# Altium PCB pcb-acopians-powerspy-monitoring-hw.PcbDoc (part 1 of 3) (continued)
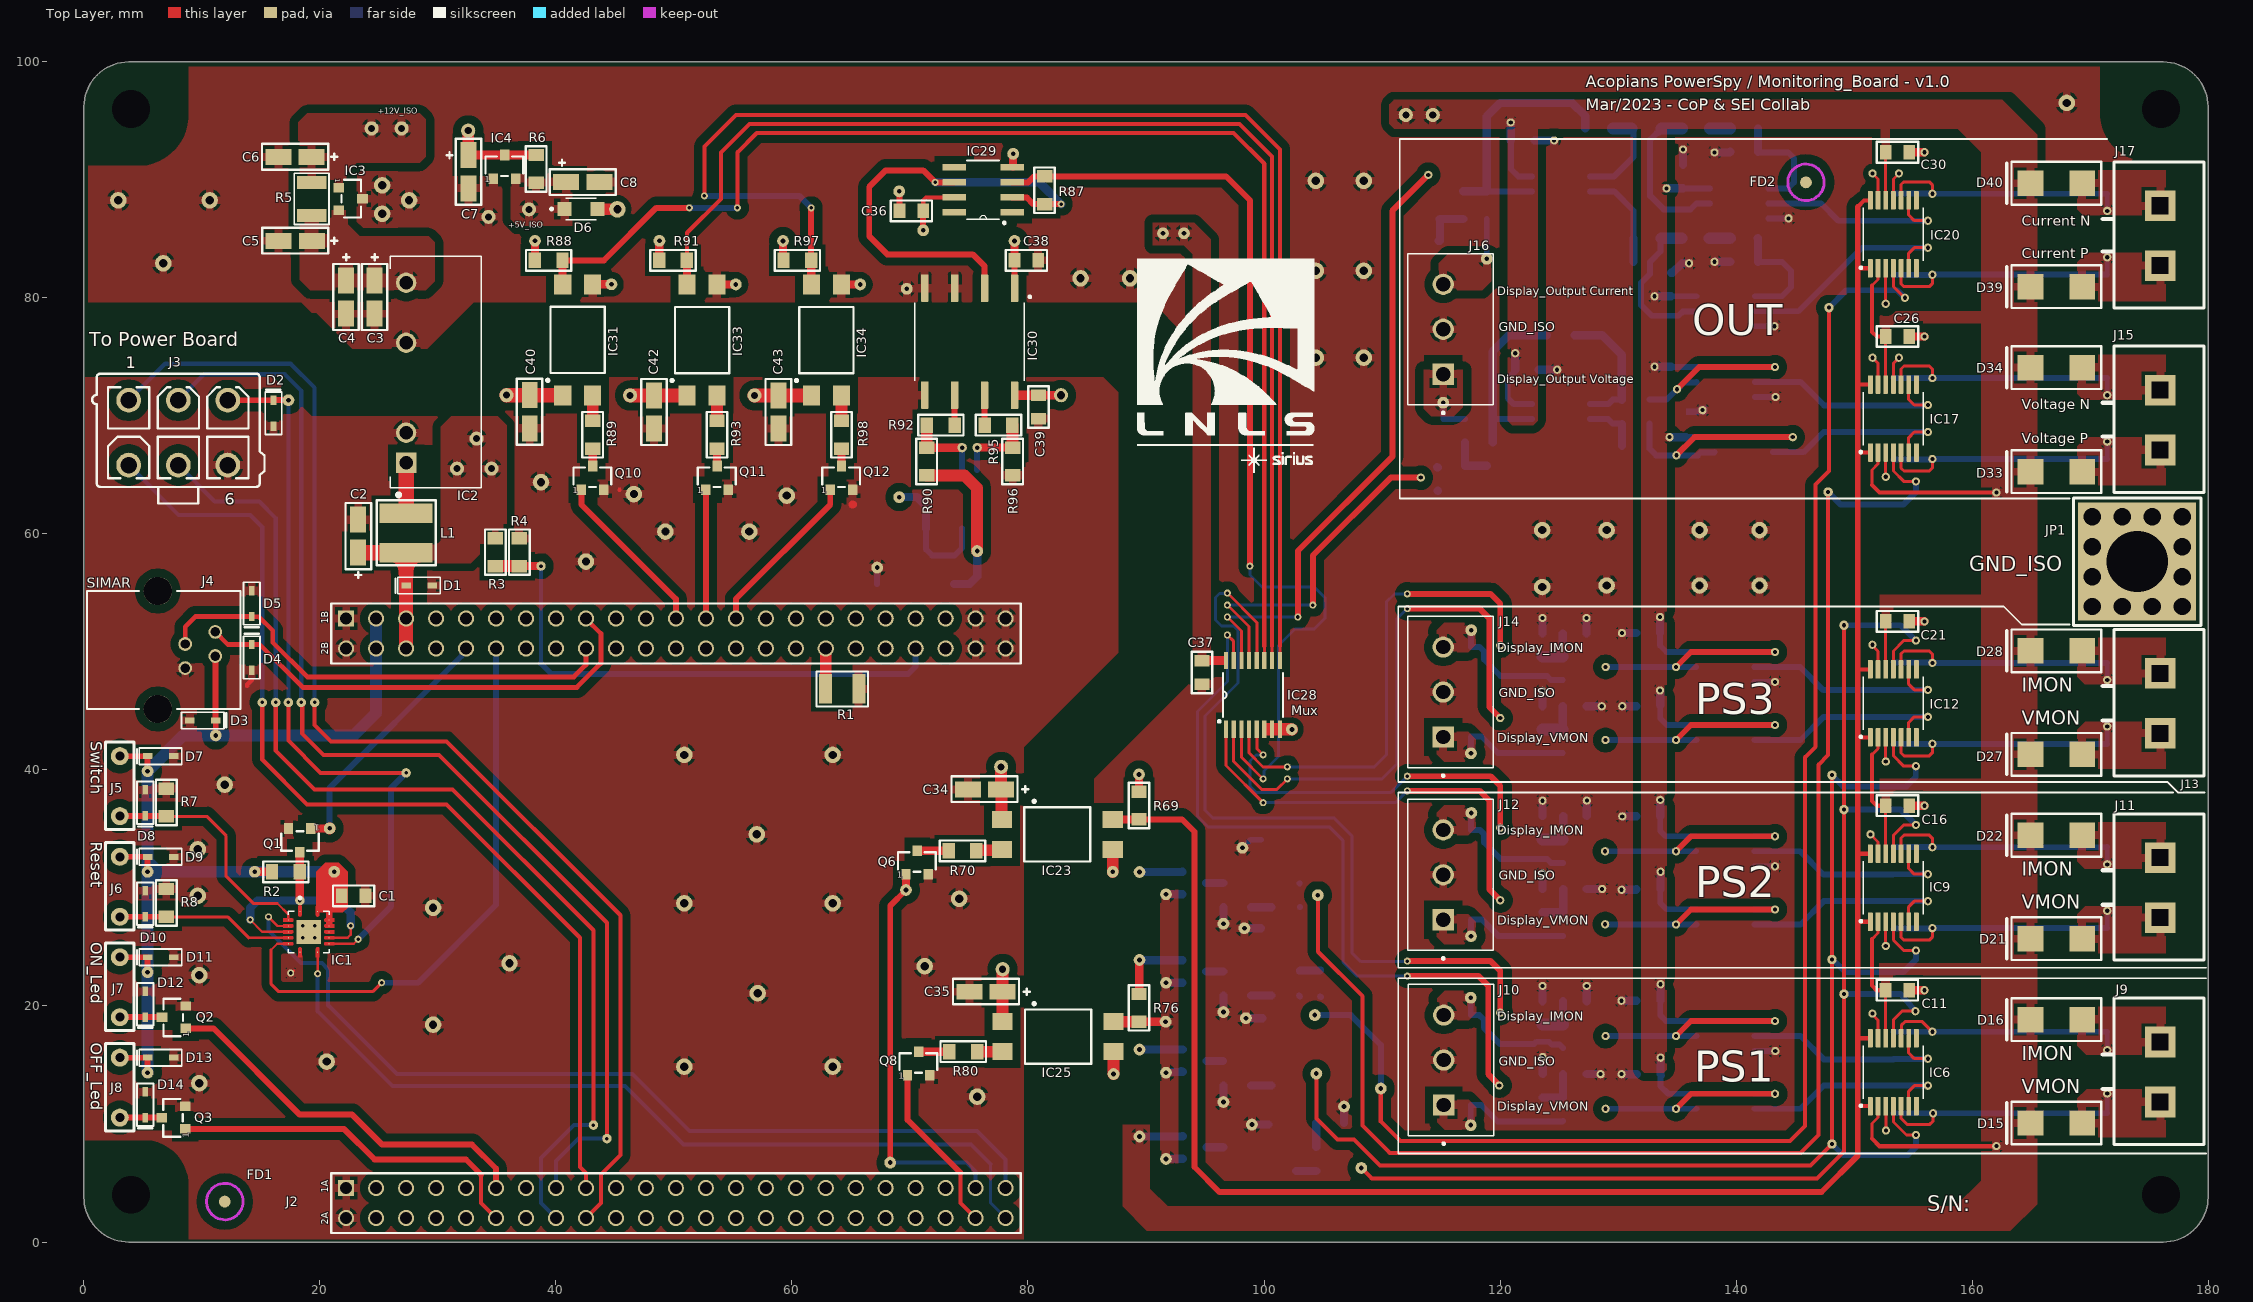
[diagram p0: Top Layer view]
## Components (designator, comment, footprint, x,y, rotation, side; value= is the part's Value field where it differs from the comment) (continued)
R53 "10k" "Resistor 0805" 133.67,94.361 r180 bottom
R54 "10k" "Resistor 0805" 141.859,92.38 r180 bottom
R55 "330R" "Resistor 0805" 116.89,89.027 r270 bottom
R56 "10k" "Resistor 0805" 139.509,83.058 r0 bottom
R57 "10k" "Resistor 0805" 133.66,85.048 r180 bottom
R58 "2k4" "Resistor 0805" 114.9,89.027 r270 bottom
R59 "7.32k" "Resistor 0805" 141.84,85.048 r180 bottom
R60 "316k" "Resistor 0805" 137.753,85.048 r180 bottom
R61 "10k" "Resistor 0805" 128.968,83.058 r0 bottom
R62 "280R" "Resistor 0805" 112.903,86.677 r90 bottom
R63 "0R" "Resistor 0805" 153.33,81.902 r90 bottom
R64 "0R" "Resistor 0805" 153.33,88.888 r270 bottom
R65 "1k" "Resistor 0805" 102.98,30.404 r180 bottom
R66 "1k" "Resistor 0805" 98.911,30.404 r180 bottom
R67 "8k66" "Resistor 0805" 100.64,28.372 r0 bottom
R68 "340R" "Resistor 0805" 96.561,28.372 r0 bottom
R69 "10k" "Resistor 0805" 89.408,35.814 r90 top
R70 "360R" "Resistor 0805" 75.629,33.147 r180 top
R71 "9k09" "Resistor 0805" 104.816,20.752 r90 bottom
R72 "845R" "Resistor 0805" 102.975,22.911 r180 bottom
R73 "1k" "Resistor 0805" 98.911,22.911 r180 bottom
R74 "32.4R" "Resistor 0805" 100.625,20.879 r0 bottom
R75 "32.4R" "Resistor 0805" 96.561,20.879 r0 bottom
R76 "10k" "Resistor 0805" 89.408,18.669 r90 top
R77 "9k1" "Resistor 0805" 102.975,15.291 r180 bottom
R78 "1k" "Resistor 0805" 98.911,15.291 r180 bottom
R79 "887R" "Resistor 0805" 100.625,13.259 r0 bottom
R80 "360R" "Resistor 0805" 75.692,16.129 r180 top
R81 "13R" "Resistor 0805" 96.561,13.259 r0 bottom
R82 "7k5" "Resistor 0805" 106.785,6.02 r180 bottom
R83 "340R" "Resistor 0805" 102.721,6.02 r180 bottom
R84 "1k" "Resistor 0805" 98.911,8.052 r180 bottom
R85 "2k" "Resistor 0805" 104.435,8.052 r0 bottom
R86 "160R" "Resistor 0805" 106.785,10.084 r180 bottom
R87 "0R" "Resistor 0805" 81.407,90.297 r270 top
R88 "4k7" "Resistor 0805" 38.21,83.185 r0 top
R89 "380R" "Resistor 0805" 43.114,69.58 r270 top
R90 "18k" "Resistor 0805" 71.42,67.31 r270 top
R91 "4k7" "Resistor 0805" 48.75,83.185 r0 top
R92 "20k" "Resistor 0805" 73.787,69.215 r180 top
R93 "380R" "Resistor 0805" 53.655,69.58 r270 top
R94 "600R" "Resistor 0805" 73.724,55.753 r180 bottom
R95 "20k" "Resistor 0805" 76.327,69.215 r0 top
R96 "18k" "Resistor 0805" 78.7,64.96 r90 top
R97 "4k7" "Resistor 0805" 59.28,83.185 r0 top
R98 "380R" "Resistor 0805" 64.196,69.58 r270 top

## Footprints (in the part's own frame and the unit in brackets; to place one, negate y for a bottom-side part, rotate by r counter-clockwise, add the part's x,y. Pads: shape width x height; smd on the part's side, far side on the other; paste and mask are expansions set on the pad)
23100C [mm]
  rect 1.65x4.5 smd: 1(0,0) 2(3.35,0)
  silkscreen extent -1.07,-2.5 4.43,2.5
"+15VDC Connector" [mil]
  round 60 hole 30: 1(0,0) 2(0,-200)
  silkscreen extent -47,-244 47,47
"BBB 2x23 Header" [mm]
  rect 1.37x1.37 hole 1.02: 1A(-22.86,27.94) 1B(25.4,27.94)
  round 1.37 hole 1.02: 2A(-25.4,27.94) 2B(22.86,27.94) 3A(-22.86,25.4) 3B(25.4,25.4) 4A(-25.4,25.4) 4B(22.86,25.4) 5A(-22.86,22.86) 5B(25.4,22.86) 6A(-25.4,22.86) 6B(22.86,22.86) 7A(-22.86,20.32) 7B(25.4,20.32) 8A(-25.4,20.32) 8B(22.86,20.32) 9A(-22.86,17.78) 9B(25.4,17.78) 10A(-25.4,17.78) 10B(22.86,17.78) 11A(-22.86,15.24) 11B(25.4,15.24) 12A(-25.4,15.24) 12B(22.86,15.24) 13A(-22.86,12.7) 13B(25.4,12.7) 14A(-25.4,12.7) 14B(22.86,12.7) 15A(-22.86,10.16) 15B(25.4,10.16) 16A(-25.4,10.16) 16B(22.86,10.16) 17A(-22.86,7.62) 17B(25.4,7.62) 18A(-25.4,7.62) 18B(22.86,7.62) 19A(-22.86,5.08) 19B(25.4,5.08) 20A(-25.4,5.08) 20B(22.86,5.08) 21A(-22.86,2.54) 21B(25.4,2.54) 22A(-25.4,2.54) 22B(22.86,2.54) 23A(-22.86,0) 23B(25.4,0) 24A(-25.4,0) 24B(22.86,0) 25A(-22.86,-2.54) 25B(25.4,-2.54) 26A(-25.4,-2.54) 26B(22.86,-2.54) 27A(-22.86,-5.08) 27B(25.4,-5.08) 28A(-25.4,-5.08) 28B(22.86,-5.08) 29A(-22.86,-7.62) 29B(25.4,-7.62) 30A(-25.4,-7.62) 30B(22.86,-7.62) 31A(-22.86,-10.16) 31B(25.4,-10.16) 32A(-25.4,-10.16) 32B(22.86,-10.16) 33A(-22.86,-12.7) 33B(25.4,-12.7) 34A(-25.4,-12.7) 34B(22.86,-12.7) 35A(-22.86,-15.24) 35B(25.4,-15.24) 36A(-25.4,-15.24) 36B(22.86,-15.24) 37A(-22.86,-17.78) 37B(25.4,-17.78) 38A(-25.4,-17.78) 38B(22.86,-17.78) 39A(-22.86,-20.32) 39B(25.4,-20.32) 40A(-25.4,-20.32) 40B(22.86,-20.32) 41A(-22.86,-22.86) 41B(25.4,-22.86) 42A(-25.4,-22.86) 42B(22.86,-22.86) 43A(-22.86,-25.4) 43B(25.4,-25.4) 44A(-25.4,-25.4) 44B(22.86,-25.4) 45A(-22.86,-27.94) 45B(25.4,-27.94) 46A(-25.4,-27.94) 46B(22.86,-27.94)
  silkscreen extent -26.67,-29.21 26.67,29.21, body extent -27.33,-40.3 27.33,50.15, height 33.22
C0805 [mm]
  rect 1x1.25 smd: 1(-1,0) 2(1,0)
  silkscreen extent -1.75,-0.87 1.75,0.87, body extent -1,-0.62 1,0.63, height 1.01
C1206 [mm]
  rect 2.2x1.35 smd: 1(-1.41,0) 2(1.41,0)
  silkscreen extent -2.8,-1.1 2.8,1.07, body extent -1.73,-0.9 1.68,0.9, height 1.87
"Conector 2 vias" [mm]
  rect 2.6x2.6 hole 1.4 square: 1(0,0) 2(5.08,0)
  silkscreen extent -3.6,-3.7 8.8,3.9, body extent -3.48,-11.4 8.68,3.9, height 21.98
"Conector Phoenix 3 vias" [mm] "1803439"
  rect 1.8x1.8 hole 1.2: 1(-3.81,0)
  round 1.8 hole 1.2: 2(0,0) 3(3.81,0)
  silkscreen extent -7.18,-4.25 6.41,3, body extent -6.41,-4.5 6.41,3, height 9.2
DO-214BA [mm]
  rect 2.2x2.15 smd: 1(-2.2,0) 2(2.2,0)
  silkscreen extent -4.2,-1.81 3.8,1.81, body extent -2.7,-1.81 2.7,1.81, height 3.3
"ERNI 225688" [mm]
  round 2 hole 1.475: 1(-3.81,-3.81) 1(-3.81,-1.27) 1(-3.81,1.27) 1(-3.81,3.81) 1(-1.27,-3.81) 1(-1.27,3.81) 1(1.27,-3.81) 1(1.27,3.81) 1(3.81,-3.81) 1(3.81,-1.27) 1(3.81,1.27) 1(3.81,3.81)
  rect 10x10 hole 5.2: 1(0,0)
  silkscreen extent -5.4,-5.4 5.4,5.4, body extent -4.5,-4.5 4.5,4.5, height 6
MOLEX_39-28-1063 [mm] "4.20mm (.165\") Pitch Mini-Fit Jr. Header, Dual Row, Vertical, without Snap-in Plastic Peg PCB Lock, 6 Circuits"
  round 2.1 hole 1.4: 1(-4.2,2.75) 2(0,2.75) 3(4.2,2.75) 4(-4.2,-2.75) 5(0,-2.75) 6(4.2,-2.75)
  silkscreen extent -7.3,-6 7.3,5, body extent -7.3,-6 7.3,5, height 12.8
NMK0515SAC [mm]
  rect 1.725x1.725 hole 1.15: 1(-7.87,2.67)
  round 1.725 hole 1.15: 2(-5.33,2.67) 5(2.29,2.67) 7(7.37,2.67)
  silkscreen extent -10.75,-3.7 9.6,4, body extent -9.95,-3.6 9.55,3.92, height 10.05
R1210 [mm]
  rect 1.106x2.5 smd: 1(-1.403,0) 2(1.403,0)
  silkscreen extent -2.18,-1.47 2.18,1.47, body extent -1.62,-1.25 1.58,1.25, height 0.72
"Resistor 0805" [mm]
  rect 1.05x1.3 smd: 1(0,0) 2(2.35,0)
  silkscreen extent -0.75,-0.87 3.1,0.87, body extent 0.17,-0.6 2.18,0.59, height 0.72
SMD-4 [mm]
  rect 1.7x1.45 smd: 1(-4.7,1.27) 2(-4.7,-1.27) 3(4.7,-1.27) 4(4.7,1.27)
  silkscreen extent -2.8,-2.29 2.8,2.91, body extent -4.29,-2.29 4.29,2.29, height 3.76
SOD-123F-2 [mm]
  rect 1.2x1.2 smd paste-0.05: 1(-1.4,0) 2(1.4,0)
  silkscreen extent -2.6,-0.91 1.3,0.91, body extent -1.75,-0.8 1.75,0.8, height 1.2
SOD-323 [mm]
  rect 0.8x0.5 smd: 1(1.1,0) 2(-1.1,0)
  silkscreen extent -1.8,-0.7 2,0.7, body extent -1.3,-0.67 1.3,0.67, height 1.1
SOIC-8 [mil]
  rect 78x22 smd: 1(-97,75) 2(-97,25) 3(-97,-25) 4(-97,-75) 5(97,-75) 6(97,-25) 7(97,25) 8(97,75)
  silkscreen extent -75,-98 54,114, body extent -118,-96 118,96, height 69
SOP-8 [mm]
  rrect25% 2.34x0.64 smd: 1(-4.535,3.81) 2(-4.535,1.27) 3(-4.535,-1.27) 4(-4.535,-3.81) 5(4.535,-3.81) 6(4.535,-1.27) 7(4.535,1.27) 8(4.535,3.81)
  silkscreen extent -3.9,-4.64 3.31,5.2, body extent -5.2,-4.64 5.2,4.64, height 4.85
SOT_23_3 [mm]
  rect 0.8x0.9 smd: 1(-0.95,-1) 2(0.95,-1) 3(0,1)
  silkscreen extent -1.63,-0.78 1.57,0.87, body extent -1.53,-1.2 1.48,1.3, height 1.02
TSSOP-14 [mm]
  rrect25% 1.56x0.41 smd: 1(-2.88,1.95) 2(-2.88,1.3) 3(-2.88,0.65) 4(-2.88,0) 5(-2.88,-0.65) 6(-2.88,-1.3) 7(-2.88,-1.95) 8(2.88,-1.95) 9(2.88,-1.3) 10(2.88,-0.65) 11(2.88,0) 12(2.88,0.65) 13(2.88,1.3) 14(2.88,1.95)
  silkscreen extent -2.94,-2.55 2.25,2.86, body extent -3.2,-2.5 3.2,2.5, height 1.1
TSSOP-16 [mil]
  rect 58x14 smd: 1(-115,90) 2(-115,64) 3(-115,38) 4(-115,13) 5(-115,-13) 6(-115,-38) 7(-115,-64) 8(-115,-90) 9(115,-90) 10(115,-64) 11(115,-38) 12(115,-13) 13(115,13) 14(115,38) 15(115,64) 16(115,90)
  silkscreen extent -92,-100 74,117, body extent -126,-98 126,98, height 43
VQFN-14 [mm]
  rect 0.1x0.1 smd paste-1 mask+0: 1(-1.725,-0.75) 2(-1,-1.725) 3(-0.5,-1.725) 4(0,-1.725) 5(0.5,-1.725) 6(1,-1.725) 7(1.725,-0.75) 8(1.725,0.75) 9(1,1.725) 10(0.5,1.725) 11(0,1.725) 12(-0.5,1.725) 13(-1,1.725) 14(-1.725,0.75)
  round 0.4 hole 0.3: 15(-0.5,0.5) 15(-0.5,-0.5) 15(0.5,0.5) 15(0.5,-0.5)
  rect 2.05x2.05 smd paste-2: 15(0,0)
  Top Layer region: 1.015,-1.301 1.022,-1.302 1.029,-1.303 1.036,-1.305 1.043,-1.307 1.05,-1.309 1.057,-1.312 1.064,-1.315 1.07,-1.319 1.076,-1.323 1.082,-1.327 1.088,-1.331 1.094,-1.336 1.099,-1.341 1.104,-1.346 1.109,-1.352 1.113,-1.358 1.117,-1.364 1.121,-1.37 1.125,-1.376 1.128,-1.383 1.131,-1.39 1.133,-1.397 1.135,-1.404 1.137,-1.411 1.138,-1.418 1.139,-1.425 1.14,-1.433 1.14,-1.44 1.14,-2.15 0.86,-2.15 0.86,-1.44 0.86,-1.433 0.861,-1.425 0.862,-1.418 0.863,-1.411 0.865,-1.404 0.867,-1.397 0.869,-1.39 0.872,-1.383 0.875,-1.376 0.879,-1.37 0.883,-1.364 0.887,-1.358 0.891,-1.352 0.896,-1.346 0.901,-1.341 0.906,-1.336 0.912,-1.331 0.918,-1.327 0.924,-1.323 0.93,-1.319 0.936,-1.315 0.943,-1.312 0.95,-1.309 0.957,-1.307 0.964,-1.305 0.971,-1.303 0.978,-1.302 0.985,-1.301 0.993,-1.3 1.007,-1.3
  Top Layer region: 1.14,1.44 1.14,1.433 1.139,1.425 1.138,1.418 1.137,1.411 1.135,1.404 1.133,1.397 1.131,1.39 1.128,1.383 1.125,1.376 1.121,1.37 1.117,1.364 1.113,1.358 1.109,1.352 1.104,1.346 1.099,1.341 1.094,1.336 1.088,1.331 1.082,1.327 1.076,1.323 1.07,1.319 1.064,1.315 1.057,1.312 1.05,1.309 1.043,1.307 1.036,1.305 1.029,1.303 1.022,1.302 1.015,1.301 1.007,1.3 0.993,1.3 0.985,1.301 0.978,1.302 0.971,1.303 0.964,1.305 0.957,1.307 0.95,1.309 0.943,1.312 0.936,1.315 0.93,1.319 0.924,1.323 0.918,1.327 0.912,1.331 0.906,1.336 0.901,1.341 0.896,1.346 0.891,1.352 0.887,1.358 0.883,1.364 0.879,1.37 0.875,1.376 0.872,1.383 0.869,1.39 0.867,1.397 0.865,1.404 0.863,1.411 0.862,1.418 0.861,1.425 0.86,1.433 0.86,1.44 0.86,2.15 1.14,2.15
  Top Layer region: -0.86,1.44 -0.86,1.433 -0.861,1.425 -0.862,1.418 -0.863,1.411 -0.865,1.404 -0.867,1.397 -0.869,1.39 -0.872,1.383 -0.875,1.376 -0.879,1.37 -0.883,1.364 -0.887,1.358 -0.891,1.352 -0.896,1.346 -0.901,1.341 -0.906,1.336 -0.912,1.331 -0.918,1.327 -0.924,1.323 -0.93,1.319 -0.936,1.315 -0.943,1.312 -0.95,1.309 -0.957,1.307 -0.964,1.305 -0.971,1.303 -0.978,1.302 -0.985,1.301 -0.993,1.3 -1.007,1.3 -1.015,1.301 -1.022,1.302 -1.029,1.303 -1.036,1.305 -1.043,1.307 -1.05,1.309 -1.057,1.312 -1.064,1.315 -1.07,1.319 -1.076,1.323 -1.082,1.327 -1.088,1.331 -1.094,1.336 -1.099,1.341 -1.104,1.346 -1.109,1.352 -1.113,1.358 -1.117,1.364 -1.121,1.37 -1.125,1.376 -1.128,1.383 -1.131,1.39 -1.133,1.397 -1.135,1.404 -1.137,1.411 -1.138,1.418 -1.139,1.425 -1.14,1.433 -1.14,1.44 -1.14,2.15 -0.86,2.15
  Top Layer region: -0.36,1.44 -0.36,1.433 -0.361,1.425 -0.362,1.418 -0.363,1.411 -0.365,1.404 -0.367,1.397 -0.369,1.39 -0.372,1.383 -0.375,1.376 -0.379,1.37 -0.383,1.364 -0.387,1.358 -0.391,1.352 -0.396,1.346 -0.401,1.341 -0.406,1.336 -0.412,1.331 -0.418,1.327 -0.424,1.323 -0.43,1.319 -0.436,1.315 -0.443,1.312 -0.45,1.309 -0.457,1.307 -0.464,1.305 -0.471,1.303 -0.478,1.302 -0.485,1.301 -0.493,1.3 -0.507,1.3 -0.515,1.301 -0.522,1.302 -0.529,1.303 -0.536,1.305 -0.543,1.307 -0.55,1.309 -0.557,1.312 -0.564,1.315 -0.57,1.319 -0.576,1.323 -0.582,1.327 -0.588,1.331 -0.594,1.336 -0.599,1.341 -0.604,1.346 -0.609,1.352 -0.613,1.358 -0.617,1.364 -0.621,1.37 -0.625,1.376 -0.628,1.383 -0.631,1.39 -0.633,1.397 -0.635,1.404 -0.637,1.411 -0.638,1.418 -0.639,1.425 -0.64,1.433 -0.64,1.44 -0.64,2.15 -0.36,2.15
  Top Layer region: 0.14,1.44 0.14,1.433 0.139,1.425 0.138,1.418 0.137,1.411 0.135,1.404 0.133,1.397 0.131,1.39 0.128,1.383 0.125,1.376 0.121,1.37 0.117,1.364 0.113,1.358 0.109,1.352 0.104,1.346 0.099,1.341 0.094,1.336 0.088,1.331 0.082,1.327 0.076,1.323 0.07,1.319 0.064,1.315 0.057,1.312 0.05,1.309 0.043,1.307 0.036,1.305 0.029,1.303 0.022,1.302 0.015,1.301 0.007,1.3 -0.007,1.3 -0.015,1.301 -0.022,1.302 -0.029,1.303 -0.036,1.305 -0.043,1.307 -0.05,1.309 -0.057,1.312 -0.064,1.315 -0.07,1.319 -0.076,1.323 -0.082,1.327 -0.088,1.331 -0.094,1.336 -0.099,1.341 -0.104,1.346 -0.109,1.352 -0.113,1.358 -0.117,1.364 -0.121,1.37 -0.125,1.376 -0.128,1.383 -0.131,1.39 -0.133,1.397 -0.135,1.404 -0.137,1.411 -0.138,1.418 -0.139,1.425 -0.14,1.433 -0.14,1.44 -0.14,2.15 0.14,2.15
  Top Layer region: 0.64,1.44 0.64,1.433 0.639,1.425 0.638,1.418 0.637,1.411 0.635,1.404 0.633,1.397 0.631,1.39 0.628,1.383 0.625,1.376 0.621,1.37 0.617,1.364 0.613,1.358 0.609,1.352 0.604,1.346 0.599,1.341 0.594,1.336 0.588,1.331 0.582,1.327 0.576,1.323 0.57,1.319 0.564,1.315 0.557,1.312 0.55,1.309 0.543,1.307 0.536,1.305 0.529,1.303 0.522,1.302 0.515,1.301 0.507,1.3 0.493,1.3 0.485,1.301 0.478,1.302 0.471,1.303 0.464,1.305 0.457,1.307 0.45,1.309 0.443,1.312 0.436,1.315 0.43,1.319 0.424,1.323 0.418,1.327 0.412,1.331 0.406,1.336 0.401,1.341 0.396,1.346 0.391,1.352 0.387,1.358 0.383,1.364 0.379,1.37 0.375,1.376 0.372,1.383 0.369,1.39 0.367,1.397 0.365,1.404 0.363,1.411 0.362,1.418 0.361,1.425 0.36,1.433 0.36,1.44 0.36,2.15 0.64,2.15
  Top Layer region: 0.515,-1.301 0.522,-1.302 0.529,-1.303 0.536,-1.305 0.543,-1.307 0.55,-1.309 0.557,-1.312 0.564,-1.315 0.57,-1.319 0.576,-1.323 0.582,-1.327 0.588,-1.331 0.594,-1.336 0.599,-1.341 0.604,-1.346 0.609,-1.352 0.613,-1.358 0.617,-1.364 0.621,-1.37 0.625,-1.376 0.628,-1.383 0.631,-1.39 0.633,-1.397 0.635,-1.404 0.637,-1.411 0.638,-1.418 0.639,-1.425 0.64,-1.433 0.64,-1.44 0.64,-2.15 0.36,-2.15 0.36,-1.44 0.36,-1.433 0.361,-1.425 0.362,-1.418 0.363,-1.411 0.365,-1.404 0.367,-1.397 0.369,-1.39 0.372,-1.383 0.375,-1.376 0.379,-1.37 0.383,-1.364 0.387,-1.358 0.391,-1.352 0.396,-1.346 0.401,-1.341 0.406,-1.336 0.412,-1.331 0.418,-1.327 0.424,-1.323 0.43,-1.319 0.436,-1.315 0.443,-1.312 0.45,-1.309 0.457,-1.307 0.464,-1.305 0.471,-1.303 0.478,-1.302 0.485,-1.301 0.493,-1.3 0.507,-1.3
  Top Layer region: 0.015,-1.301 0.022,-1.302 0.029,-1.303 0.036,-1.305 0.043,-1.307 0.05,-1.309 0.057,-1.312 0.064,-1.315 0.07,-1.319 0.076,-1.323 0.082,-1.327 0.088,-1.331 0.094,-1.336 0.099,-1.341 0.104,-1.346 0.109,-1.352 0.113,-1.358 0.117,-1.364 0.121,-1.37 0.125,-1.376 0.128,-1.383 0.131,-1.39 0.133,-1.397 0.135,-1.404 0.137,-1.411 0.138,-1.418 0.139,-1.425 0.14,-1.433 0.14,-1.44 0.14,-2.15 -0.14,-2.15 -0.14,-1.44 -0.14,-1.433 -0.139,-1.425 -0.138,-1.418 -0.137,-1.411 -0.135,-1.404 -0.133,-1.397 -0.131,-1.39 -0.128,-1.383 -0.125,-1.376 -0.121,-1.37 -0.117,-1.364 -0.113,-1.358 -0.109,-1.352 -0.104,-1.346 -0.099,-1.341 -0.094,-1.336 -0.088,-1.331 -0.082,-1.327 -0.076,-1.323 -0.07,-1.319 -0.064,-1.315 -0.057,-1.312 -0.05,-1.309 -0.043,-1.307 -0.036,-1.305 -0.029,-1.303 -0.022,-1.302 -0.015,-1.301 -0.007,-1.3 0.007,-1.3
  Top Layer region: -0.485,-1.301 -0.478,-1.302 -0.471,-1.303 -0.464,-1.305 -0.457,-1.307 -0.45,-1.309 -0.443,-1.312 -0.436,-1.315 -0.43,-1.319 -0.424,-1.323 -0.418,-1.327 -0.412,-1.331 -0.406,-1.336 -0.401,-1.341 -0.396,-1.346 -0.391,-1.352 -0.387,-1.358 -0.383,-1.364 -0.379,-1.37 -0.375,-1.376 -0.372,-1.383 -0.369,-1.39 -0.367,-1.397 -0.365,-1.404 -0.363,-1.411 -0.362,-1.418 -0.361,-1.425 -0.36,-1.433 -0.36,-1.44 -0.36,-2.15 -0.64,-2.15 -0.64,-1.44 -0.64,-1.433 -0.639,-1.425 -0.638,-1.418 -0.637,-1.411 -0.635,-1.404 -0.633,-1.397 -0.631,-1.39 -0.628,-1.383 -0.625,-1.376 -0.621,-1.37 -0.617,-1.364 -0.613,-1.358 -0.609,-1.352 -0.604,-1.346 -0.599,-1.341 -0.594,-1.336 -0.588,-1.331 -0.582,-1.327 -0.576,-1.323 -0.57,-1.319 -0.564,-1.315 -0.557,-1.312 -0.55,-1.309 -0.543,-1.307 -0.536,-1.305 -0.529,-1.303 -0.522,-1.302 -0.515,-1.301 -0.507,-1.3 -0.493,-1.3
  Top Layer region: -0.985,-1.301 -0.978,-1.302 -0.971,-1.303 -0.964,-1.305 -0.957,-1.307 -0.95,-1.309 -0.943,-1.312 -0.936,-1.315 -0.93,-1.319 -0.924,-1.323 -0.918,-1.327 -0.912,-1.331 -0.906,-1.336 -0.901,-1.341 -0.896,-1.346 -0.891,-1.352 -0.887,-1.358 -0.883,-1.364 -0.879,-1.37 -0.875,-1.376 -0.872,-1.383 -0.869,-1.39 -0.867,-1.397 -0.865,-1.404 -0.863,-1.411 -0.862,-1.418 -0.861,-1.425 -0.86,-1.433 -0.86,-1.44 -0.86,-2.15 -1.14,-2.15 -1.14,-1.44 -1.14,-1.433 -1.139,-1.425 -1.138,-1.418 -1.137,-1.411 -1.135,-1.404 -1.133,-1.397 -1.131,-1.39 -1.128,-1.383 -1.125,-1.376 -1.121,-1.37 -1.117,-1.364 -1.113,-1.358 -1.109,-1.352 -1.104,-1.346 -1.099,-1.341 -1.094,-1.336 -1.088,-1.331 -1.082,-1.327 -1.076,-1.323 -1.07,-1.319 -1.064,-1.315 -1.057,-1.312 -1.05,-1.309 -1.043,-1.307 -1.036,-1.305 -1.029,-1.303 -1.022,-1.302 -1.015,-1.301 -1.007,-1.3 -0.993,-1.3
  Top Layer region: 2.15,-0.89 1.433,-0.89 1.425,-0.889 1.418,-0.888 1.411,-0.887 1.404,-0.885 1.397,-0.883 1.39,-0.881 1.383,-0.878 1.376,-0.875 1.37,-0.871 1.364,-0.867 1.358,-0.863 1.352,-0.859 1.346,-0.854 1.341,-0.849 1.336,-0.844 1.331,-0.838 1.327,-0.832 1.323,-0.826 1.319,-0.82 1.315,-0.814 1.312,-0.807 1.309,-0.8 1.307,-0.793 1.305,-0.786 1.303,-0.779 1.302,-0.772 1.301,-0.765 1.3,-0.757 1.3,-0.75 1.3,-0.743 1.301,-0.735 1.302,-0.728 1.303,-0.721 1.305,-0.714 1.307,-0.707 1.309,-0.7 1.312,-0.693 1.315,-0.686 1.319,-0.68 1.323,-0.674 1.327,-0.668 1.331,-0.662 1.336,-0.656 1.341,-0.651 1.346,-0.646 1.352,-0.641 1.358,-0.637 1.364,-0.633 1.37,-0.629 1.376,-0.625 1.383,-0.622 1.39,-0.619 1.397,-0.617 1.404,-0.615 1.411,-0.613 1.418,-0.612 1.425,-0.611 1.433,-0.61 2.15,-0.61
  Top Layer region: 2.15,0.61 1.433,0.61 1.425,0.611 1.418,0.612 1.411,0.613 1.404,0.615 1.397,0.617 1.39,0.619 1.383,0.622 1.376,0.625 1.37,0.629 1.364,0.633 1.358,0.637 1.352,0.641 1.346,0.646 1.341,0.651 1.336,0.656 1.331,0.662 1.327,0.668 1.323,0.674 1.319,0.68 1.315,0.686 1.312,0.693 1.309,0.7 1.307,0.707 1.305,0.714 1.303,0.721 1.302,0.728 1.301,0.735 1.3,0.743 1.3,0.75 1.3,0.757 1.301,0.765 1.302,0.772 1.303,0.779 1.305,0.786 1.307,0.793 1.309,0.8 1.312,0.807 1.315,0.814 1.319,0.82 1.323,0.826 1.327,0.832 1.331,0.838 1.336,0.844 1.341,0.849 1.346,0.854 1.352,0.859 1.358,0.863 1.364,0.867 1.37,0.871 1.376,0.875 1.383,0.878 1.39,0.881 1.397,0.883 1.404,0.885 1.411,0.887 1.418,0.888 1.425,0.889 1.433,0.89 2.15,0.89
  Top Layer region: -1.425,-0.611 -1.418,-0.612 -1.411,-0.613 -1.404,-0.615 -1.397,-0.617 -1.39,-0.619 -1.383,-0.622 -1.376,-0.625 -1.37,-0.629 -1.364,-0.633 -1.358,-0.637 -1.352,-0.641 -1.346,-0.646 -1.341,-0.651 -1.336,-0.656 -1.331,-0.662 -1.327,-0.668 -1.323,-0.674 -1.319,-0.68 -1.315,-0.686 -1.312,-0.693 -1.309,-0.7 -1.307,-0.707 -1.305,-0.714 -1.303,-0.721 -1.302,-0.728 -1.301,-0.735 -1.3,-0.743 -1.3,-0.75 -1.3,-0.757 -1.301,-0.765 -1.302,-0.772 -1.303,-0.779 -1.305,-0.786 -1.307,-0.793 -1.309,-0.8 -1.312,-0.807 -1.315,-0.814 -1.319,-0.82 -1.323,-0.826 -1.327,-0.832 -1.331,-0.838 -1.336,-0.844 -1.341,-0.849 -1.346,-0.854 -1.352,-0.859 -1.358,-0.863 -1.364,-0.867 -1.37,-0.871 -1.376,-0.875 -1.383,-0.878 -1.39,-0.881 -1.397,-0.883 -1.404,-0.885 -1.411,-0.887 -1.418,-0.888 -1.425,-0.889 -1.433,-0.89 -2.15,-0.89 -2.15,-0.61 -1.433,-0.61
  Top Layer region: -1.425,0.889 -1.418,0.888 -1.411,0.887 -1.404,0.885 -1.397,0.883 -1.39,0.881 -1.383,0.878 -1.376,0.875 -1.37,0.871 -1.364,0.867 -1.358,0.863 -1.352,0.859 -1.346,0.854 -1.341,0.849 -1.336,0.844 -1.331,0.838 -1.327,0.832 -1.323,0.826 -1.319,0.82 -1.315,0.814 -1.312,0.807 -1.309,0.8 -1.307,0.793 -1.305,0.786 -1.303,0.779 -1.302,0.772 -1.301,0.765 -1.3,0.757 -1.3,0.75 -1.3,0.743 -1.301,0.735 -1.302,0.728 -1.303,0.721 -1.305,0.714 -1.307,0.707 -1.309,0.7 -1.312,0.693 -1.315,0.686 -1.319,0.68 -1.323,0.674 -1.327,0.668 -1.331,0.662 -1.336,0.656 -1.341,0.651 -1.346,0.646 -1.352,0.641 -1.358,0.637 -1.364,0.633 -1.37,0.629 -1.376,0.625 -1.383,0.622 -1.39,0.619 -1.397,0.617 -1.404,0.615 -1.411,0.613 -1.418,0.612 -1.425,0.611 -1.433,0.61 -2.15,0.61 -2.15,0.89 -1.433,0.89
  silkscreen extent -2.97,-1.75 1.75,1.75, body extent -1.88,-1.88 1.88,1.88, height 1
YH55-01 [mm]
  round 1.16 hole 0.8: 1(2.435,-0.51) 2(2.435,1.53) 3(-0.115,0.51) 4(-0.115,-1.53)
  round 2.4 hole 2.4 unplated: Un1(-2.435,5) Un2(-2.435,-5)
  silkscreen extent -8.43,-5 4.56,5, body extent -8.4,-5 4.6,5, height 14.5

## Part data
C1 C9 C11 C12 C14 C16 C17 C19 C21 C22 C24 C25 C26 C28 C29 C30 C31 C33 C36 C37 C38 C39 C41: library part "Capacitor 100nF"
C2: library part "Capacitor 2.2uF"
C3 C7 C8 C34 C35 C40 C42 C43: library part "Capacitor 1uF"
C4: library part "Capacitor 10uF"
C5 C6: library part "Capacitor 4.7uF"
C10 C15 C20 C27: library part "Capacitor 68nF"
C13 C18 C23 C32: library part "Capacitor 56nF"
D1: "Unidirectional TVS Diode", Supplier Part Number 1=54AH3799, Supplier 1=Newark
D2 D3 D4 D5 D7 D8 D9 D10 D11 D12 D13 D14: "Unidirectional TVS Diode", Supplier 1=Avnet, Supplier Part Number 1=CDSOD323-T05L
D6: library part "Zener NZH5V1B,115", "5.1V, SOD-123F-2"
D15 D16 D21 D22 D27 D28 D33 D34 D39 D40: "DIODE SCHOTTKY 15V, 1A, DO214BA"
D17 D18 D19 D20 D23 D24 D25 D26 D29 D30 D31 D32 D35 D36 D37 D38 D41 D42: "Unidirectional TVS DIode, 12A, 1.3pF"
D43: library part "Zener GDZ2V0B-G3-08", Supplier 1="Arrow Electronics", Supplier Part Number 1=GDZ2V0B-G3-08
IC1: "Quadruple Bus Buffer Gates With 3-State Outputs"
IC2: "3kVDC Isolated 2W Single Output DC-DC Converter"
IC3: "Linear-Voltage Regulator, +12V Fixed-Output, 100mA"
IC4: "High-Voltage Automotive LDO, 80mA"
IC5 IC7 IC8 IC10 IC11 IC13 IC14 IC15 IC16 IC18 IC19 IC21 IC29 IC32: "16V, Auto-Zero, Rail-to-Rail Output Operational Amplifiers"
IC6 IC9 IC12 IC17 IC20: "Analog Switch Dual-SPDT, 14 pins", Supplier Part Number 1=56AJ9808, Supplier 1=Newark
IC22 IC24 IC26 IC27: "Precision Micropower Shunt Voltage Reference"
IC23 IC25 IC31 IC33 IC34: "Optocoupler 1 Channel, Phototransistor Output, SMD-4"
IC28: "8-channel analog multiplexer, TSSOP-16"
IC30: "Fully-Differential Isolation Amplifier"
J3: library part "Connector 6 Male"
J4: library part RJ11, "MC114268 JACK RJ11 4P4C PARA PLACA 14.5X10X12MM, CODIGO YH55-01, DAIER"
J9 J11 J13 J15 J17: library part "Phoenix 1755736", "Term Block HDR 2POS VERT 5.08MM"
J10 J12 J14 J16: library part "Conector Phoenix 3 vias"
L1: "Bobbin Wound Surface Mount Inductors, 10uH, 138mOhms, Imax 1.02A"
Q1 Q2 Q3 Q6 Q8 Q10 Q11 Q12: "MOSFET N-Channel", Supplier Part Number 1=BSS138DKR-ND, Supplier 1=Digi-Key
Q4 Q5 Q7 Q9: "MOSFET P-Channel"
R1 R5: library part "Resistor 0R", "Size 1210"
R2 R7 R8 R88 R91 R97: library part "Resistor 4k7", "Size 0805"
R3: library part "Resistor 200k", "Size 0805"
R4 R41 R43: library part "Resistor 100k"
R6: library part "Resistor 500R"
R9 R10 R13 R14 R19 R20 R23 R24 R29 R30 R33 R34 R40 R42 R50 R55: library part "Resistor 330R"
R11 R21 R31 R44: library part "Resistor 650R"
R12 R17 R22 R27 R32 R37 R46 R62: library part "Resistor 280R"
R15 R25 R35 R58: library part "Resistor 2k4"
R16 R18 R26 R28 R36 R38 R47 R48 R63 R64 R87: library part "Resistor 0R - 0805", "Size 0805"
R39 R45 R49 R53 R54 R56 R57 R61 R69 R76: library part "Resistor 10k"
R51 R59: library part "Resistor 7.32k"
R52 R60: library part "Resistor 316k"
R65 R66 R73 R78 R84: library part "Resistor 1k"
R67: library part "Resistor 8k66"
R68 R83: library part "Resistor 340R"
R70 R80: library part "Resistor 360R"
R71: library part "Resistor 9k09"
R72: library part "Resistor 845R"
R74 R75: library part "Resistor 32.4R"
R77: library part "Resistor 9k1"
R79: library part "Resistor 887R"
R81: library part "Resistor 13R"
R82: library part "Resistor 7k5"
R85: library part "Resistor 2k"
R86: library part "Resistor 160R"
R89 R93 R98: library part "Resistor 380R", "Size 0805"
R90 R96: library part "Resistor 18k"
R92 R95: library part "Resistor 20k"
R94: library part "Resistor 600R"

## Free pads (board coordinates)
  round 1.4 hole 0.7 mask+0.102: 1(2.921,88.265) 1(6.731,82.931) 1(9.652,29.337) 1(9.652,33.274) 1(9.779,13.462) 1(9.779,22.606) 1(10.668,88.265) 1(11.938,38.748) 1(20.573,15.289) 1(25.273,87.122) 1(25.273,89.535) 1(27.559,88.265) 1(29.591,18.415) 1(29.591,28.321) 1(36.068,23.622) 1(38.735,64.389) 1(42.545,57.658) 1(45.212,87.503) 1(46.609,63.373) 1(49.276,60.198) 1(50.878,14.858) 1(50.878,28.701) 1(50.878,41.274) 1(56.388,60.198) 1(57.023,34.544) 1(57.101,21.081) 1(59.563,63.246) 1(63.451,14.858) 1(63.451,28.701) 1(63.451,41.274) 1(71.247,23.368) 1(74.168,29.083) 1(75.692,12.319) 1(84.455,81.661) 1(88.646,81.661) 1(104.394,74.93) 1(104.394,82.296) 1(104.394,89.916) 1(108.458,74.93) 1(108.458,82.296) 1(108.458,89.916) 1(123.571,55.499) 1(123.571,60.325) 1(129.032,55.626) 1(129.032,60.325) 1(136.906,55.626) 1(136.906,60.325) 1(141.986,55.626) 1(141.986,60.325) 1(168.021,96.52)
  round 0 hole 3.2 unplated: 1(4,4) 1(4,96) 1(176,4) 1(176,96)
  round 1 hole 0.4 mask+0.102: 1(5.4,14.351) 1(5.4,22.86) 1(5.4,31.369) 1(5.4,39.9) 1(11.176,42.926) 1(14.478,31.369) 1(17.334,71.331) 1(20.828,35.052) 1(21.209,31.369) 1(38.227,84.836) 1(44.704,81.153) 1(48.768,84.836) 1(55.245,81.14) 1(59.242,84.828) 1(65.786,81.14) 1(67.22,57.15) 1(68.326,6.731) 1(69.088,63.119) 1(69.088,89.027) 1(69.662,29.827) 1(69.723,80.772) 1(71.12,85.725) 1(75.692,58.547) 1(78.74,92.202) 1(78.859,84.828) 1(87.184,31.364) 1(87.25,14.235) 1(89.408,39.624) 1(89.449,8.941) 1(89.449,16.307) 1(89.449,23.9) 1(89.449,31.35) 1(91.44,85.471) 1(91.659,18.669) 1(91.694,7.042) 1(91.694,14.351) 1(91.694,21.971) 1(91.694,29.464) 1(93.218,85.471) 1(96.561,26.975) 1(96.561,11.862) 1(96.561,19.482) 1(98.171,33.401) 1(98.339,26.589) 1(98.466,18.969) 1(98.974,9.952) 1(102.362,43.434) 1(104.308,19.228) 1(104.435,14.275) 1(104.562,29.388) 1(106.785,11.481) 1(108.245,6.274) 1(109.896,13.005) 1(115.189,71.12) 1(117.52,9.906) 1(117.52,20.701) 1(117.531,41.41) 1(117.54,25.908) 1(117.561,51.848) 1(117.57,36.354) 1(118.872,83.312)
  round 1 smd paste-1 mask+1: 1(11.938,3.429) 1(145.923,89.789)
  round 0.6 hole 0.3 mask+0.102: 1(14.097,27.305) 1(15.646,27.551) 1(17.526,22.796) 1(19.812,22.733) 1(22.606,26.797) 1(23.241,25.654) 1(25.232,21.971) 1(51.308,87.63) 1(52.578,88.646) 1(55.372,87.63) 1(61.63,87.63) 1(72.136,89.789) 1(82.804,87.947) 1(96.901,51.435) 1(96.901,52.959) 1(96.901,53.975) 1(96.901,54.991) 1(98.806,57.277) 1(99.924,39.243) 1(99.924,41.275) 1(99.924,37.227) 1(101.981,39.243) 1(101.981,40.259) 1(102.87,52.959) 1(104.14,53.975) 1(112.141,22.53) 1(112.141,23.8) 1(112.141,38.227) 1(112.141,39.469) 1(112.141,53.671) 1(112.141,54.915)
  round 0.8 hole 0.3 mask+0.102: 1(15.113,45.72) 1(16.256,45.72) 1(17.334,45.72) 1(18.308,28.936) 1(18.415,45.72) 1(19.558,45.72) 1(27.305,39.751) 1(38.735,57.277) 1(43.18,9.906) 1(44.323,8.763)
  round 1.2 hole 0.6 mask+0.102: 1(24.384,94.361) 1(26.924,94.361) 1(31.623,65.532) 1(32.569,94.171) 1(33.274,68.072) 1(34.29,86.868) 1(34.544,65.532) 1(35.814,71.755) 1(37.719,87.503) 1(46.289,71.739) 1(56.83,71.739) 1(77.724,40.259) 1(77.851,23.114) 1(112.014,95.504) 1(114.3,95.504)
  round 0.8 hole 0.4 mask+0.102: 1(74.422,67.31) 1(75.692,67.31)
  round 1.2 hole 0.7 mask+0.102: 1(82.804,71.755)
  round 0.7 hole 0.35 mask+0.102: 1(113.284,64.77) 1(113.919,90.424) 1(119.929,13.259) 1(120.015,19.431) 1(120.015,28.956) 1(120.015,35.1) 1(120.015,44.4) 1(120.015,50.546) 1(120.904,94.869) 1(121.285,75.311) 1(123.596,31.221) 1(123.596,52.871) 1(123.596,46.701) 1(123.606,21.701) 1(123.606,37.391) 1(123.612,15.672) 1(124.587,93.345) 1(124.841,73.914) 1(127.326,52.871) 1(127.346,21.701) 1(127.355,37.401) 1(128.524,14.224) 1(128.621,45.394) 1(128.651,29.914) 1(128.899,33.109) 1(128.905,26.924) 1(128.93,42.532) 1(128.946,11.29) 1(128.946,17.45) 1(128.95,48.73) 1(130.286,20.447) 1(130.302,14.224) 1(130.302,29.845) 1(130.331,51.598) 1(130.357,36.068) 1(130.357,45.4) 1(133.096,74.168) 1(133.096,80.137) 1(133.56,46.736) 1(133.56,52.959) 1(133.572,37.465) 1(133.604,15.621) 1(133.604,21.844) 1(133.604,31.369) 1(134.112,89.281) 1(134.366,68.199) 1(134.915,11.29) 1(134.915,17.45) 1(134.915,26.911) 1(134.915,33.109) 1(134.915,42.532) 1(134.915,48.73) 1(134.941,66.662) 1(135.001,72.263) 1(135.509,92.583) 1(136.017,82.931) 1(137.16,70.485) 1(138.176,83.058) 1(138.176,92.329) 1(143.256,77.597) 1(143.289,74.138) 1(143.297,12.56) 1(143.297,18.72) 1(143.297,28.181) 1(143.297,31.839) 1(143.297,34.379) 1(143.297,43.802) 1(143.297,47.46) 1(143.297,50) 1(143.323,16.18) 1(143.342,71.598) 1(144.45,86.741) 1(144.805,68.199) 1(151.384,34.544) 1(151.552,50.609) 1(151.552,19.355) 1(151.563,74.93) 1(151.563,90.551) 1(152.68,79.502) 1(152.688,25.089) 1(152.688,40.71) 1(152.688,64.84) 1(152.695,9.449) 1(153.797,74.93) 1(153.797,90.551) 1(154.305,80.01) 1(155.194,19.558) 1(155.235,24.701) 1(155.235,35.345) 1(155.235,40.322) 1(155.235,50.966) 1(155.235,64.452) 1(155.235,9.068) 1(155.956,21.336) 1(155.966,76.72) 1(155.966,36.969) 1(155.966,52.59) 1(155.966,92.341) 1(156.251,13.247) 1(156.251,15.533) 1(156.251,28.88) 1(156.251,31.166) 1(156.251,44.501) 1(156.251,46.787) 1(156.251,68.631) 1(156.251,70.917) 1(156.251,84.252) 1(156.251,86.538) 1(156.632,26.594) 1(156.632,33.452) 1(156.632,42.215) 1(156.632,49.073) 1(156.632,66.345) 1(156.632,73.203) 1(156.632,81.966) 1(156.632,88.824) 1(156.632,17.819) 1(156.696,10.909) 1(162.052,63.501) 1(162.052,8.128) 1(171.45,12.573) 1(171.45,16.256) 1(171.45,28.067) 1(171.45,32.004) 1(171.45,43.688) 1(171.45,47.625) 1(171.45,67.818) 1(171.45,71.755) 1(171.45,83.439) 1(171.45,87.376)
  round 0.8 hole 0.35 mask+0.102: 1(147.8,63.551) 1(147.869,79.172) 1(148.123,23.939) 1(148.123,39.56) 1(148.123,8.306) 1(149.139,36.639) 1(149.139,52.26) 1(149.139,21.006)